# Allegro board LED_FIN.brd (continued)
## Placement (name value [footprint] x y rotation side) (continued)
D2040  0603_LED  [0603_SINGLE]  155.25 334 0 top
D2041  0603_LED  [0603_SINGLE]  97.25 332 0 top
D2042  0603_LED  [0603_SINGLE]  99.25 332 0 top
D2043  0603_LED  [0603_SINGLE]  101.25 332 0 top
D2044  0603_LED  [0603_SINGLE]  103.25 332 0 top
D2045  0603_LED  [0603_SINGLE]  105.25 332 0 top
D2046  0603_LED  [0603_SINGLE]  107.25 332 0 top
D2047  0603_LED  [0603_SINGLE]  109.25 332 0 top
D2048  0603_LED  [0603_SINGLE]  111.25 332 0 top
D2049  0603_LED  [0603_SINGLE]  113.25 332 0 top
D2050  0603_LED  [0603_SINGLE]  115.25 332 0 top
D2051  0603_LED  [0603_SINGLE]  117.25 332 0 top
D2052  0603_LED  [0603_SINGLE]  119.25 332 0 top
D2053  0603_LED  [0603_SINGLE]  121.25 332 0 top
D2054  0603_LED  [0603_SINGLE]  123.25 332 0 top
D2055  0603_LED  [0603_SINGLE]  125.25 332 0 top
D2056  0603_LED  [0603_SINGLE]  127.25 332 0 top
D2057  0603_LED  [0603_SINGLE]  129.25 332 0 top
D2058  0603_LED  [0603_SINGLE]  131.25 332 0 top
D2059  0603_LED  [0603_SINGLE]  133.25 332 0 top
D2060  0603_LED  [0603_SINGLE]  135.25 332 0 top
D2061  0603_LED  [0603_SINGLE]  137.25 332 0 top
D2062  0603_LED  [0603_SINGLE]  139.25 332 0 top
D2063  0603_LED  [0603_SINGLE]  141.25 332 0 top
D2064  0603_LED  [0603_SINGLE]  143.25 332 0 top
D2065  0603_LED  [0603_SINGLE]  145.25 332 0 top
D2066  0603_LED  [0603_SINGLE]  147.25 332 0 top
D2067  0603_LED  [0603_SINGLE]  149.25 332 0 top
D2068  0603_LED  [0603_SINGLE]  151.25 332 0 top
D2069  0603_LED  [0603_SINGLE]  153.25 332 0 top
D2070  0603_LED  [0603_SINGLE]  155.25 332 0 top
D2071  0603_LED  [0603_SINGLE]  97.25 330 0 top
D2072  0603_LED  [0603_SINGLE]  99.25 330 0 top
D2073  0603_LED  [0603_SINGLE]  101.25 330 0 top
D2074  0603_LED  [0603_SINGLE]  103.25 330 0 top
D2075  0603_LED  [0603_SINGLE]  105.25 330 0 top
D2076  0603_LED  [0603_SINGLE]  107.25 330 0 top
D2077  0603_LED  [0603_SINGLE]  109.25 330 0 top
D2078  0603_LED  [0603_SINGLE]  111.25 330 0 top
D2079  0603_LED  [0603_SINGLE]  113.25 330 0 top
D2080  0603_LED  [0603_SINGLE]  115.25 330 0 top
D2081  0603_LED  [0603_SINGLE]  117.25 330 0 top
D2082  0603_LED  [0603_SINGLE]  119.25 330 0 top
D2083  0603_LED  [0603_SINGLE]  121.25 330 0 top
D2084  0603_LED  [0603_SINGLE]  123.25 330 0 top
D2085  0603_LED  [0603_SINGLE]  125.25 330 0 top
D2086  0603_LED  [0603_SINGLE]  127.25 330 0 top
D2087  0603_LED  [0603_SINGLE]  129.25 330 0 top
D2088  0603_LED  [0603_SINGLE]  131.25 330 0 top
D2089  0603_LED  [0603_SINGLE]  133.25 330 0 top
D2090  0603_LED  [0603_SINGLE]  135.25 330 0 top
D2091  0603_LED  [0603_SINGLE]  137.25 330 0 top
D2092  0603_LED  [0603_SINGLE]  139.25 330 0 top
D2093  0603_LED  [0603_SINGLE]  141.25 330 0 top
D2094  0603_LED  [0603_SINGLE]  143.25 330 0 top
D2095  0603_LED  [0603_SINGLE]  145.25 330 0 top
D2096  0603_LED  [0603_SINGLE]  147.25 330 0 top
D2097  0603_LED  [0603_SINGLE]  149.25 330 0 top
D2098  0603_LED  [0603_SINGLE]  151.25 330 0 top
D2099  0603_LED  [0603_SINGLE]  153.25 330 0 top
D2100  0603_LED  [0603_SINGLE]  155.25 330 0 top
D2101  0603_LED  [0603_SINGLE]  97.25 328 0 top
D2102  0603_LED  [0603_SINGLE]  99.25 328 0 top
D2103  0603_LED  [0603_SINGLE]  101.25 328 0 top
D2104  0603_LED  [0603_SINGLE]  103.25 328 0 top
D2105  0603_LED  [0603_SINGLE]  105.25 328 0 top
D2106  0603_LED  [0603_SINGLE]  107.25 328 0 top
D2107  0603_LED  [0603_SINGLE]  109.25 328 0 top
D2108  0603_LED  [0603_SINGLE]  111.25 328 0 top
D2109  0603_LED  [0603_SINGLE]  113.25 328 0 top
D2110  0603_LED  [0603_SINGLE]  115.25 328 0 top
D2111  0603_LED  [0603_SINGLE]  117.25 328 0 top
D2112  0603_LED  [0603_SINGLE]  119.25 328 0 top
D2113  0603_LED  [0603_SINGLE]  121.25 328 0 top
D2114  0603_LED  [0603_SINGLE]  123.25 328 0 top
D2115  0603_LED  [0603_SINGLE]  125.25 328 0 top
D2116  0603_LED  [0603_SINGLE]  127.25 328 0 top
D2117  0603_LED  [0603_SINGLE]  129.25 328 0 top
D2118  0603_LED  [0603_SINGLE]  131.25 328 0 top
D2119  0603_LED  [0603_SINGLE]  133.25 328 0 top
D2120  0603_LED  [0603_SINGLE]  135.25 328 0 top
D2121  0603_LED  [0603_SINGLE]  137.25 328 0 top
D2122  0603_LED  [0603_SINGLE]  139.25 328 0 top
D2123  0603_LED  [0603_SINGLE]  141.25 328 0 top
D2124  0603_LED  [0603_SINGLE]  143.25 328 0 top
D2125  0603_LED  [0603_SINGLE]  145.25 328 0 top
D2126  0603_LED  [0603_SINGLE]  147.25 328 0 top
D2127  0603_LED  [0603_SINGLE]  149.25 328 0 top
D2128  0603_LED  [0603_SINGLE]  151.25 328 0 top
D2129  0603_LED  [0603_SINGLE]  153.25 328 0 top
D2130  0603_LED  [0603_SINGLE]  155.25 328 0 top
D2131  0603_LED  [0603_SINGLE]  97.25 326 0 top
D2132  0603_LED  [0603_SINGLE]  99.25 326 0 top
D2133  0603_LED  [0603_SINGLE]  101.25 326 0 top
D2134  0603_LED  [0603_SINGLE]  103.25 326 0 top
D2135  0603_LED  [0603_SINGLE]  105.25 326 0 top
D2136  0603_LED  [0603_SINGLE]  107.25 326 0 top
D2137  0603_LED  [0603_SINGLE]  109.25 326 0 top
D2138  0603_LED  [0603_SINGLE]  111.25 326 0 top
D2139  0603_LED  [0603_SINGLE]  113.25 326 0 top
D2140  0603_LED  [0603_SINGLE]  115.25 326 0 top
D2141  0603_LED  [0603_SINGLE]  117.25 326 0 top
D2142  0603_LED  [0603_SINGLE]  119.25 326 0 top
D2143  0603_LED  [0603_SINGLE]  121.25 326 0 top
D2144  0603_LED  [0603_SINGLE]  123.25 326 0 top
D2145  0603_LED  [0603_SINGLE]  125.25 326 0 top
D2146  0603_LED  [0603_SINGLE]  127.25 326 0 top
D2147  0603_LED  [0603_SINGLE]  129.25 326 0 top
D2148  0603_LED  [0603_SINGLE]  131.25 326 0 top
D2149  0603_LED  [0603_SINGLE]  133.25 326 0 top
D2150  0603_LED  [0603_SINGLE]  135.25 326 0 top
D2151  0603_LED  [0603_SINGLE]  137.25 326 0 top
D2152  0603_LED  [0603_SINGLE]  139.25 326 0 top
D2153  0603_LED  [0603_SINGLE]  141.25 326 0 top
D2154  0603_LED  [0603_SINGLE]  143.25 326 0 top
D2155  0603_LED  [0603_SINGLE]  145.25 326 0 top
D2156  0603_LED  [0603_SINGLE]  147.25 326 0 top
D2157  0603_LED  [0603_SINGLE]  149.25 326 0 top
D2158  0603_LED  [0603_SINGLE]  151.25 326 0 top
D2159  0603_LED  [0603_SINGLE]  153.25 326 0 top
D2160  0603_LED  [0603_SINGLE]  155.25 326 0 top
D2161  0603_LED  [0603_SINGLE]  97.25 324 0 top
D2162  0603_LED  [0603_SINGLE]  99.25 324 0 top
D2163  0603_LED  [0603_SINGLE]  101.25 324 0 top
D2164  0603_LED  [0603_SINGLE]  103.25 324 0 top
D2165  0603_LED  [0603_SINGLE]  105.25 324 0 top
D2166  0603_LED  [0603_SINGLE]  107.25 324 0 top
D2167  0603_LED  [0603_SINGLE]  109.25 324 0 top
D2168  0603_LED  [0603_SINGLE]  111.25 324 0 top
D2169  0603_LED  [0603_SINGLE]  113.25 324 0 top
D2170  0603_LED  [0603_SINGLE]  115.25 324 0 top
D2171  0603_LED  [0603_SINGLE]  117.25 324 0 top
D2172  0603_LED  [0603_SINGLE]  119.25 324 0 top
D2173  0603_LED  [0603_SINGLE]  121.25 324 0 top
D2174  0603_LED  [0603_SINGLE]  123.25 324 0 top
D2175  0603_LED  [0603_SINGLE]  125.25 324 0 top
D2176  0603_LED  [0603_SINGLE]  127.25 324 0 top
D2177  0603_LED  [0603_SINGLE]  129.25 324 0 top
D2178  0603_LED  [0603_SINGLE]  131.25 324 0 top
D2179  0603_LED  [0603_SINGLE]  133.25 324 0 top
D2180  0603_LED  [0603_SINGLE]  135.25 324 0 top
D2181  0603_LED  [0603_SINGLE]  137.25 324 0 top
D2182  0603_LED  [0603_SINGLE]  139.25 324 0 top
D2183  0603_LED  [0603_SINGLE]  141.25 324 0 top
D2184  0603_LED  [0603_SINGLE]  143.25 324 0 top
D2185  0603_LED  [0603_SINGLE]  145.25 324 0 top
D2186  0603_LED  [0603_SINGLE]  147.25 324 0 top
D2187  0603_LED  [0603_SINGLE]  149.25 324 0 top
D2188  0603_LED  [0603_SINGLE]  151.25 324 0 top
D2189  0603_LED  [0603_SINGLE]  153.25 324 0 top
D2190  0603_LED  [0603_SINGLE]  155.25 324 0 top
D2191  0603_LED  [0603_SINGLE]  97.25 322 0 top
D2192  0603_LED  [0603_SINGLE]  99.25 322 0 top
D2193  0603_LED  [0603_SINGLE]  101.25 322 0 top
D2194  0603_LED  [0603_SINGLE]  103.25 322 0 top
D2195  0603_LED  [0603_SINGLE]  105.25 322 0 top
D2196  0603_LED  [0603_SINGLE]  107.25 322 0 top
D2197  0603_LED  [0603_SINGLE]  109.25 322 0 top
D2198  0603_LED  [0603_SINGLE]  111.25 322 0 top
D2199  0603_LED  [0603_SINGLE]  113.25 322 0 top
D2200  0603_LED  [0603_SINGLE]  115.25 322 0 top
D2201  0603_LED  [0603_SINGLE]  117.25 322 0 top
D2202  0603_LED  [0603_SINGLE]  119.25 322 0 top
D2203  0603_LED  [0603_SINGLE]  121.25 322 0 top
D2204  0603_LED  [0603_SINGLE]  123.25 322 0 top
D2205  0603_LED  [0603_SINGLE]  125.25 322 0 top
D2206  0603_LED  [0603_SINGLE]  127.25 322 0 top
D2207  0603_LED  [0603_SINGLE]  129.25 322 0 top
D2208  0603_LED  [0603_SINGLE]  131.25 322 0 top
D2209  0603_LED  [0603_SINGLE]  133.25 322 0 top
D2210  0603_LED  [0603_SINGLE]  135.25 322 0 top
D2211  0603_LED  [0603_SINGLE]  137.25 322 0 top
D2212  0603_LED  [0603_SINGLE]  139.25 322 0 top
D2213  0603_LED  [0603_SINGLE]  141.25 322 0 top
D2214  0603_LED  [0603_SINGLE]  143.25 322 0 top
D2215  0603_LED  [0603_SINGLE]  145.25 322 0 top
D2216  0603_LED  [0603_SINGLE]  147.25 322 0 top
D2217  0603_LED  [0603_SINGLE]  149.25 322 0 top
D2218  0603_LED  [0603_SINGLE]  151.25 322 0 top
D2219  0603_LED  [0603_SINGLE]  153.25 322 0 top
D2220  0603_LED  [0603_SINGLE]  155.25 322 0 top
D2221  0603_LED  [0603_SINGLE]  97.25 320 0 top
D2222  0603_LED  [0603_SINGLE]  99.25 320 0 top
D2223  0603_LED  [0603_SINGLE]  101.25 320 0 top
D2224  0603_LED  [0603_SINGLE]  103.25 320 0 top
D2225  0603_LED  [0603_SINGLE]  105.25 320 0 top
D2226  0603_LED  [0603_SINGLE]  107.25 320 0 top
D2227  0603_LED  [0603_SINGLE]  109.25 320 0 top
D2228  0603_LED  [0603_SINGLE]  111.25 320 0 top
D2229  0603_LED  [0603_SINGLE]  113.25 320 0 top
D2230  0603_LED  [0603_SINGLE]  115.25 320 0 top
D2231  0603_LED  [0603_SINGLE]  117.25 320 0 top
D2232  0603_LED  [0603_SINGLE]  119.25 320 0 top
D2233  0603_LED  [0603_SINGLE]  121.25 320 0 top
D2234  0603_LED  [0603_SINGLE]  123.25 320 0 top
D2235  0603_LED  [0603_SINGLE]  125.25 320 0 top
D2236  0603_LED  [0603_SINGLE]  127.25 320 0 top
D2237  0603_LED  [0603_SINGLE]  129.25 320 0 top
D2238  0603_LED  [0603_SINGLE]  131.25 320 0 top
D2239  0603_LED  [0603_SINGLE]  133.25 320 0 top
D2240  0603_LED  [0603_SINGLE]  135.25 320 0 top
D2241  0603_LED  [0603_SINGLE]  137.25 320 0 top
D2242  0603_LED  [0603_SINGLE]  139.25 320 0 top
D2243  0603_LED  [0603_SINGLE]  141.25 320 0 top
D2244  0603_LED  [0603_SINGLE]  143.25 320 0 top
D2245  0603_LED  [0603_SINGLE]  145.25 320 0 top
D2246  0603_LED  [0603_SINGLE]  147.25 320 0 top
D2247  0603_LED  [0603_SINGLE]  149.25 320 0 top
D2248  0603_LED  [0603_SINGLE]  151.25 320 0 top
D2249  0603_LED  [0603_SINGLE]  153.25 320 0 top
D2250  0603_LED  [0603_SINGLE]  155.25 320 0 top
D2251  0603_LED  [0603_SINGLE]  97.25 318 0 top
D2252  0603_LED  [0603_SINGLE]  99.25 318 0 top
D2253  0603_LED  [0603_SINGLE]  101.25 318 0 top
D2254  0603_LED  [0603_SINGLE]  103.25 318 0 top
D2255  0603_LED  [0603_SINGLE]  105.25 318 0 top
D2256  0603_LED  [0603_SINGLE]  107.25 318 0 top
D2257  0603_LED  [0603_SINGLE]  109.25 318 0 top
D2258  0603_LED  [0603_SINGLE]  111.25 318 0 top
D2259  0603_LED  [0603_SINGLE]  113.25 318 0 top
D2260  0603_LED  [0603_SINGLE]  115.25 318 0 top
D2261  0603_LED  [0603_SINGLE]  117.25 318 0 top
D2262  0603_LED  [0603_SINGLE]  119.25 318 0 top
D2263  0603_LED  [0603_SINGLE]  121.25 318 0 top
D2264  0603_LED  [0603_SINGLE]  123.25 318 0 top
D2265  0603_LED  [0603_SINGLE]  125.25 318 0 top
D2266  0603_LED  [0603_SINGLE]  127.25 318 0 top
D2267  0603_LED  [0603_SINGLE]  129.25 318 0 top
D2268  0603_LED  [0603_SINGLE]  131.25 318 0 top
D2269  0603_LED  [0603_SINGLE]  133.25 318 0 top
D2270  0603_LED  [0603_SINGLE]  135.25 318 0 top
D2271  0603_LED  [0603_SINGLE]  137.25 318 0 top
D2272  0603_LED  [0603_SINGLE]  139.25 318 0 top
D2273  0603_LED  [0603_SINGLE]  141.25 318 0 top
D2274  0603_LED  [0603_SINGLE]  143.25 318 0 top
D2275  0603_LED  [0603_SINGLE]  145.25 318 0 top
D2276  0603_LED  [0603_SINGLE]  147.25 318 0 top
D2277  0603_LED  [0603_SINGLE]  149.25 318 0 top
D2278  0603_LED  [0603_SINGLE]  151.25 318 0 top
D2279  0603_LED  [0603_SINGLE]  153.25 318 0 top
D2280  0603_LED  [0603_SINGLE]  155.25 318 0 top
D2281  0603_LED  [0603_SINGLE]  157.25 392 0 top
D2282  0603_LED  [0603_SINGLE]  159.25 392 0 top
D2283  0603_LED  [0603_SINGLE]  161.25 392 0 top
D2284  0603_LED  [0603_SINGLE]  163.25 392 0 top
D2285  0603_LED  [0603_SINGLE]  165.25 392 0 top
D2286  0603_LED  [0603_SINGLE]  167.25 392 0 top
D2287  0603_LED  [0603_SINGLE]  169.25 392 0 top
D2288  0603_LED  [0603_SINGLE]  171.25 392 0 top
D2289  0603_LED  [0603_SINGLE]  173.25 392 0 top
D2290  0603_LED  [0603_SINGLE]  175.25 392 0 top
D2291  0603_LED  [0603_SINGLE]  177.25 392 0 top
D2292  0603_LED  [0603_SINGLE]  179.25 392 0 top
D2293  0603_LED  [0603_SINGLE]  181.25 392 0 top
D2294  0603_LED  [0603_SINGLE]  183.25 392 0 top
D2295  0603_LED  [0603_SINGLE]  185.25 392 0 top
D2296  0603_LED  [0603_SINGLE]  187.25 392 0 top
D2297  0603_LED  [0603_SINGLE]  189.25 392 0 top
D2298  0603_LED  [0603_SINGLE]  191.25 392 0 top
D2299  0603_LED  [0603_SINGLE]  193.25 392 0 top
D2300  0603_LED  [0603_SINGLE]  195.25 392 0 top
D2301  0603_LED  [0603_SINGLE]  197.25 392 0 top
D2302  0603_LED  [0603_SINGLE]  199.25 392 0 top
D2303  0603_LED  [0603_SINGLE]  201.25 392 0 top
D2304  0603_LED  [0603_SINGLE]  203.25 392 0 top
D2305  0603_LED  [0603_SINGLE]  205.25 392 0 top
D2306  0603_LED  [0603_SINGLE]  207.25 392 0 top
D2307  0603_LED  [0603_SINGLE]  209.25 392 0 top
D2308  0603_LED  [0603_SINGLE]  211.25 392 0 top
D2309  0603_LED  [0603_SINGLE]  213.25 392 0 top
D2310  0603_LED  [0603_SINGLE]  215.25 392 0 top
D2311  0603_LED  [0603_SINGLE]  157.25 390 0 top
D2312  0603_LED  [0603_SINGLE]  159.25 390 0 top
D2313  0603_LED  [0603_SINGLE]  161.25 390 0 top
D2314  0603_LED  [0603_SINGLE]  163.25 390 0 top
D2315  0603_LED  [0603_SINGLE]  165.25 390 0 top
D2316  0603_LED  [0603_SINGLE]  167.25 390 0 top
D2317  0603_LED  [0603_SINGLE]  169.25 390 0 top
D2318  0603_LED  [0603_SINGLE]  171.25 390 0 top
D2319  0603_LED  [0603_SINGLE]  173.25 390 0 top
D2320  0603_LED  [0603_SINGLE]  175.25 390 0 top
D2321  0603_LED  [0603_SINGLE]  177.25 390 0 top
D2322  0603_LED  [0603_SINGLE]  179.25 390 0 top
D2323  0603_LED  [0603_SINGLE]  181.25 390 0 top
D2324  0603_LED  [0603_SINGLE]  183.25 390 0 top
D2325  0603_LED  [0603_SINGLE]  185.25 390 0 top
D2326  0603_LED  [0603_SINGLE]  187.25 390 0 top
D2327  0603_LED  [0603_SINGLE]  189.25 390 0 top
D2328  0603_LED  [0603_SINGLE]  191.25 390 0 top
D2329  0603_LED  [0603_SINGLE]  193.25 390 0 top
D2330  0603_LED  [0603_SINGLE]  195.25 390 0 top
D2331  0603_LED  [0603_SINGLE]  197.25 390 0 top
D2332  0603_LED  [0603_SINGLE]  199.25 390 0 top
D2333  0603_LED  [0603_SINGLE]  201.25 390 0 top
D2334  0603_LED  [0603_SINGLE]  203.25 390 0 top
D2335  0603_LED  [0603_SINGLE]  205.25 390 0 top
D2336  0603_LED  [0603_SINGLE]  207.25 390 0 top
D2337  0603_LED  [0603_SINGLE]  209.25 390 0 top
D2338  0603_LED  [0603_SINGLE]  211.25 390 0 top
D2339  0603_LED  [0603_SINGLE]  213.25 390 0 top
D2340  0603_LED  [0603_SINGLE]  215.25 390 0 top
D2341  0603_LED  [0603_SINGLE]  157.25 388 0 top
D2342  0603_LED  [0603_SINGLE]  159.25 388 0 top
D2343  0603_LED  [0603_SINGLE]  161.25 388 0 top
D2344  0603_LED  [0603_SINGLE]  163.25 388 0 top
D2345  0603_LED  [0603_SINGLE]  165.25 388 0 top
D2346  0603_LED  [0603_SINGLE]  167.25 388 0 top
D2347  0603_LED  [0603_SINGLE]  169.25 388 0 top
D2348  0603_LED  [0603_SINGLE]  171.25 388 0 top
D2349  0603_LED  [0603_SINGLE]  173.25 388 0 top
D2350  0603_LED  [0603_SINGLE]  175.25 388 0 top
D2351  0603_LED  [0603_SINGLE]  177.25 388 0 top
D2352  0603_LED  [0603_SINGLE]  179.25 388 0 top
D2353  0603_LED  [0603_SINGLE]  181.25 388 0 top
D2354  0603_LED  [0603_SINGLE]  183.25 388 0 top
D2355  0603_LED  [0603_SINGLE]  185.25 388 0 top
D2356  0603_LED  [0603_SINGLE]  187.25 388 0 top
D2357  0603_LED  [0603_SINGLE]  189.25 388 0 top
D2358  0603_LED  [0603_SINGLE]  191.25 388 0 top
D2359  0603_LED  [0603_SINGLE]  193.25 388 0 top
D2360  0603_LED  [0603_SINGLE]  195.25 388 0 top
D2361  0603_LED  [0603_SINGLE]  197.25 388 0 top
D2362  0603_LED  [0603_SINGLE]  199.25 388 0 top
D2363  0603_LED  [0603_SINGLE]  201.25 388 0 top
D2364  0603_LED  [0603_SINGLE]  203.25 388 0 top
D2365  0603_LED  [0603_SINGLE]  205.25 388 0 top
D2366  0603_LED  [0603_SINGLE]  207.25 388 0 top
D2367  0603_LED  [0603_SINGLE]  209.25 388 0 top
D2368  0603_LED  [0603_SINGLE]  211.25 388 0 top
D2369  0603_LED  [0603_SINGLE]  213.25 388 0 top
D2370  0603_LED  [0603_SINGLE]  215.25 388 0 top
D2371  0603_LED  [0603_SINGLE]  157.25 386 0 top
D2372  0603_LED  [0603_SINGLE]  159.25 386 0 top
D2373  0603_LED  [0603_SINGLE]  161.25 386 0 top
D2374  0603_LED  [0603_SINGLE]  163.25 386 0 top
D2375  0603_LED  [0603_SINGLE]  165.25 386 0 top
D2376  0603_LED  [0603_SINGLE]  167.25 386 0 top
D2377  0603_LED  [0603_SINGLE]  169.25 386 0 top
D2378  0603_LED  [0603_SINGLE]  171.25 386 0 top
D2379  0603_LED  [0603_SINGLE]  173.25 386 0 top
D2380  0603_LED  [0603_SINGLE]  175.25 386 0 top
D2381  0603_LED  [0603_SINGLE]  177.25 386 0 top
D2382  0603_LED  [0603_SINGLE]  179.25 386 0 top
D2383  0603_LED  [0603_SINGLE]  181.25 386 0 top
D2384  0603_LED  [0603_SINGLE]  183.25 386 0 top
D2385  0603_LED  [0603_SINGLE]  185.25 386 0 top
D2386  0603_LED  [0603_SINGLE]  187.25 386 0 top
D2387  0603_LED  [0603_SINGLE]  189.25 386 0 top
D2388  0603_LED  [0603_SINGLE]  191.25 386 0 top
D2389  0603_LED  [0603_SINGLE]  193.25 386 0 top
D2390  0603_LED  [0603_SINGLE]  195.25 386 0 top
D2391  0603_LED  [0603_SINGLE]  197.25 386 0 top
D2392  0603_LED  [0603_SINGLE]  199.25 386 0 top
D2393  0603_LED  [0603_SINGLE]  201.25 386 0 top
D2394  0603_LED  [0603_SINGLE]  203.25 386 0 top
D2395  0603_LED  [0603_SINGLE]  205.25 386 0 top
D2396  0603_LED  [0603_SINGLE]  207.25 386 0 top
D2397  0603_LED  [0603_SINGLE]  209.25 386 0 top
D2398  0603_LED  [0603_SINGLE]  211.25 386 0 top
D2399  0603_LED  [0603_SINGLE]  213.25 386 0 top
D2400  0603_LED  [0603_SINGLE]  215.25 386 0 top
D2401  0603_LED  [0603_SINGLE]  157.25 384 0 top
D2402  0603_LED  [0603_SINGLE]  159.25 384 0 top
D2403  0603_LED  [0603_SINGLE]  161.25 384 0 top
D2404  0603_LED  [0603_SINGLE]  163.25 384 0 top
D2405  0603_LED  [0603_SINGLE]  165.25 384 0 top
D2406  0603_LED  [0603_SINGLE]  167.25 384 0 top
D2407  0603_LED  [0603_SINGLE]  169.25 384 0 top
D2408  0603_LED  [0603_SINGLE]  171.25 384 0 top
D2409  0603_LED  [0603_SINGLE]  173.25 384 0 top
D2410  0603_LED  [0603_SINGLE]  175.25 384 0 top
D2411  0603_LED  [0603_SINGLE]  177.25 384 0 top
D2412  0603_LED  [0603_SINGLE]  179.25 384 0 top
D2413  0603_LED  [0603_SINGLE]  181.25 384 0 top
D2414  0603_LED  [0603_SINGLE]  183.25 384 0 top
D2415  0603_LED  [0603_SINGLE]  185.25 384 0 top
D2416  0603_LED  [0603_SINGLE]  187.25 384 0 top
D2417  0603_LED  [0603_SINGLE]  189.25 384 0 top
D2418  0603_LED  [0603_SINGLE]  191.25 384 0 top
D2419  0603_LED  [0603_SINGLE]  193.25 384 0 top
D2420  0603_LED  [0603_SINGLE]  195.25 384 0 top
D2421  0603_LED  [0603_SINGLE]  197.25 384 0 top
D2422  0603_LED  [0603_SINGLE]  199.25 384 0 top
D2423  0603_LED  [0603_SINGLE]  201.25 384 0 top
D2424  0603_LED  [0603_SINGLE]  203.25 384 0 top
D2425  0603_LED  [0603_SINGLE]  205.25 384 0 top
D2426  0603_LED  [0603_SINGLE]  207.25 384 0 top
D2427  0603_LED  [0603_SINGLE]  209.25 384 0 top
D2428  0603_LED  [0603_SINGLE]  211.25 384 0 top
D2429  0603_LED  [0603_SINGLE]  213.25 384 0 top
D2430  0603_LED  [0603_SINGLE]  215.25 384 0 top
D2431  0603_LED  [0603_SINGLE]  157.25 382 0 top
D2432  0603_LED  [0603_SINGLE]  159.25 382 0 top
D2433  0603_LED  [0603_SINGLE]  161.25 382 0 top
D2434  0603_LED  [0603_SINGLE]  163.25 382 0 top
D2435  0603_LED  [0603_SINGLE]  165.25 382 0 top
D2436  0603_LED  [0603_SINGLE]  167.25 382 0 top
D2437  0603_LED  [0603_SINGLE]  169.25 382 0 top
D2438  0603_LED  [0603_SINGLE]  171.25 382 0 top
D2439  0603_LED  [0603_SINGLE]  173.25 382 0 top
D2440  0603_LED  [0603_SINGLE]  175.25 382 0 top
D2441  0603_LED  [0603_SINGLE]  177.25 382 0 top
D2442  0603_LED  [0603_SINGLE]  179.25 382 0 top
D2443  0603_LED  [0603_SINGLE]  181.25 382 0 top
D2444  0603_LED  [0603_SINGLE]  183.25 382 0 top
D2445  0603_LED  [0603_SINGLE]  185.25 382 0 top
D2446  0603_LED  [0603_SINGLE]  187.25 382 0 top
D2447  0603_LED  [0603_SINGLE]  189.25 382 0 top
D2448  0603_LED  [0603_SINGLE]  191.25 382 0 top
D2449  0603_LED  [0603_SINGLE]  193.25 382 0 top
D2450  0603_LED  [0603_SINGLE]  195.25 382 0 top
D2451  0603_LED  [0603_SINGLE]  197.25 382 0 top
D2452  0603_LED  [0603_SINGLE]  199.25 382 0 top
D2453  0603_LED  [0603_SINGLE]  201.25 382 0 top
D2454  0603_LED  [0603_SINGLE]  203.25 382 0 top
D2455  0603_LED  [0603_SINGLE]  205.25 382 0 top
D2456  0603_LED  [0603_SINGLE]  207.25 382 0 top
D2457  0603_LED  [0603_SINGLE]  209.25 382 0 top
D2458  0603_LED  [0603_SINGLE]  211.25 382 0 top
D2459  0603_LED  [0603_SINGLE]  213.25 382 0 top
D2460  0603_LED  [0603_SINGLE]  215.25 382 0 top
D2461  0603_LED  [0603_SINGLE]  157.25 380 0 top
D2462  0603_LED  [0603_SINGLE]  159.25 380 0 top
D2463  0603_LED  [0603_SINGLE]  161.25 380 0 top
D2464  0603_LED  [0603_SINGLE]  163.25 380 0 top
D2465  0603_LED  [0603_SINGLE]  165.25 380 0 top
D2466  0603_LED  [0603_SINGLE]  167.25 380 0 top
D2467  0603_LED  [0603_SINGLE]  169.25 380 0 top
D2468  0603_LED  [0603_SINGLE]  171.25 380 0 top
D2469  0603_LED  [0603_SINGLE]  173.25 380 0 top
D2470  0603_LED  [0603_SINGLE]  175.25 380 0 top
D2471  0603_LED  [0603_SINGLE]  177.25 380 0 top
D2472  0603_LED  [0603_SINGLE]  179.25 380 0 top
D2473  0603_LED  [0603_SINGLE]  181.25 380 0 top
D2474  0603_LED  [0603_SINGLE]  183.25 380 0 top
D2475  0603_LED  [0603_SINGLE]  185.25 380 0 top
D2476  0603_LED  [0603_SINGLE]  187.25 380 0 top
D2477  0603_LED  [0603_SINGLE]  189.25 380 0 top
D2478  0603_LED  [0603_SINGLE]  191.25 380 0 top
D2479  0603_LED  [0603_SINGLE]  193.25 380 0 top
D2480  0603_LED  [0603_SINGLE]  195.25 380 0 top
D2481  0603_LED  [0603_SINGLE]  197.25 380 0 top
D2482  0603_LED  [0603_SINGLE]  199.25 380 0 top
D2483  0603_LED  [0603_SINGLE]  201.25 380 0 top
D2484  0603_LED  [0603_SINGLE]  203.25 380 0 top
D2485  0603_LED  [0603_SINGLE]  205.25 380 0 top
D2486  0603_LED  [0603_SINGLE]  207.25 380 0 top
D2487  0603_LED  [0603_SINGLE]  209.25 380 0 top
D2488  0603_LED  [0603_SINGLE]  211.25 380 0 top
D2489  0603_LED  [0603_SINGLE]  213.25 380 0 top
D2490  0603_LED  [0603_SINGLE]  215.25 380 0 top
D2491  0603_LED  [0603_SINGLE]  157.25 378 0 top
D2492  0603_LED  [0603_SINGLE]  159.25 378 0 top
D2493  0603_LED  [0603_SINGLE]  161.25 378 0 top
D2494  0603_LED  [0603_SINGLE]  163.25 378 0 top
D2495  0603_LED  [0603_SINGLE]  165.25 378 0 top
D2496  0603_LED  [0603_SINGLE]  167.25 378 0 top
D2497  0603_LED  [0603_SINGLE]  169.25 378 0 top
D2498  0603_LED  [0603_SINGLE]  171.25 378 0 top
D2499  0603_LED  [0603_SINGLE]  173.25 378 0 top
D2500  0603_LED  [0603_SINGLE]  175.25 378 0 top
D2501  0603_LED  [0603_SINGLE]  177.25 378 0 top
D2502  0603_LED  [0603_SINGLE]  179.25 378 0 top
D2503  0603_LED  [0603_SINGLE]  181.25 378 0 top
D2504  0603_LED  [0603_SINGLE]  183.25 378 0 top
D2505  0603_LED  [0603_SINGLE]  185.25 378 0 top
D2506  0603_LED  [0603_SINGLE]  187.25 378 0 top
D2507  0603_LED  [0603_SINGLE]  189.25 378 0 top
D2508  0603_LED  [0603_SINGLE]  191.25 378 0 top
D2509  0603_LED  [0603_SINGLE]  193.25 378 0 top
D2510  0603_LED  [0603_SINGLE]  195.25 378 0 top
D2511  0603_LED  [0603_SINGLE]  197.25 378 0 top
D2512  0603_LED  [0603_SINGLE]  199.25 378 0 top
D2513  0603_LED  [0603_SINGLE]  201.25 378 0 top
D2514  0603_LED  [0603_SINGLE]  203.25 378 0 top
D2515  0603_LED  [0603_SINGLE]  205.25 378 0 top
D2516  0603_LED  [0603_SINGLE]  207.25 378 0 top
D2517  0603_LED  [0603_SINGLE]  209.25 378 0 top
D2518  0603_LED  [0603_SINGLE]  211.25 378 0 top
D2519  0603_LED  [0603_SINGLE]  213.25 378 0 top
D2520  0603_LED  [0603_SINGLE]  215.25 378 0 top
D2521  0603_LED  [0603_SINGLE]  157.25 376 0 top
D2522  0603_LED  [0603_SINGLE]  159.25 376 0 top
D2523  0603_LED  [0603_SINGLE]  161.25 376 0 top
D2524  0603_LED  [0603_SINGLE]  163.25 376 0 top
D2525  0603_LED  [0603_SINGLE]  165.25 376 0 top
D2526  0603_LED  [0603_SINGLE]  167.25 376 0 top
D2527  0603_LED  [0603_SINGLE]  169.25 376 0 top
D2528  0603_LED  [0603_SINGLE]  171.25 376 0 top
D2529  0603_LED  [0603_SINGLE]  173.25 376 0 top
D2530  0603_LED  [0603_SINGLE]  175.25 376 0 top
D2531  0603_LED  [0603_SINGLE]  177.25 376 0 top
D2532  0603_LED  [0603_SINGLE]  179.25 376 0 top
D2533  0603_LED  [0603_SINGLE]  181.25 376 0 top
D2534  0603_LED  [0603_SINGLE]  183.25 376 0 top
D2535  0603_LED  [0603_SINGLE]  185.25 376 0 top
D2536  0603_LED  [0603_SINGLE]  187.25 376 0 top
D2537  0603_LED  [0603_SINGLE]  189.25 376 0 top
D2538  0603_LED  [0603_SINGLE]  191.25 376 0 top
D2539  0603_LED  [0603_SINGLE]  193.25 376 0 top
D2540  0603_LED  [0603_SINGLE]  195.25 376 0 top
D2541  0603_LED  [0603_SINGLE]  197.25 376 0 top
D2542  0603_LED  [0603_SINGLE]  199.25 376 0 top
D2543  0603_LED  [0603_SINGLE]  201.25 376 0 top
D2544  0603_LED  [0603_SINGLE]  203.25 376 0 top
D2545  0603_LED  [0603_SINGLE]  205.25 376 0 top
D2546  0603_LED  [0603_SINGLE]  207.25 376 0 top
D2547  0603_LED  [0603_SINGLE]  209.25 376 0 top
D2548  0603_LED  [0603_SINGLE]  211.25 376 0 top